# Altium PCB SVEC.pcbdoc (part 5 of 18) (continued)
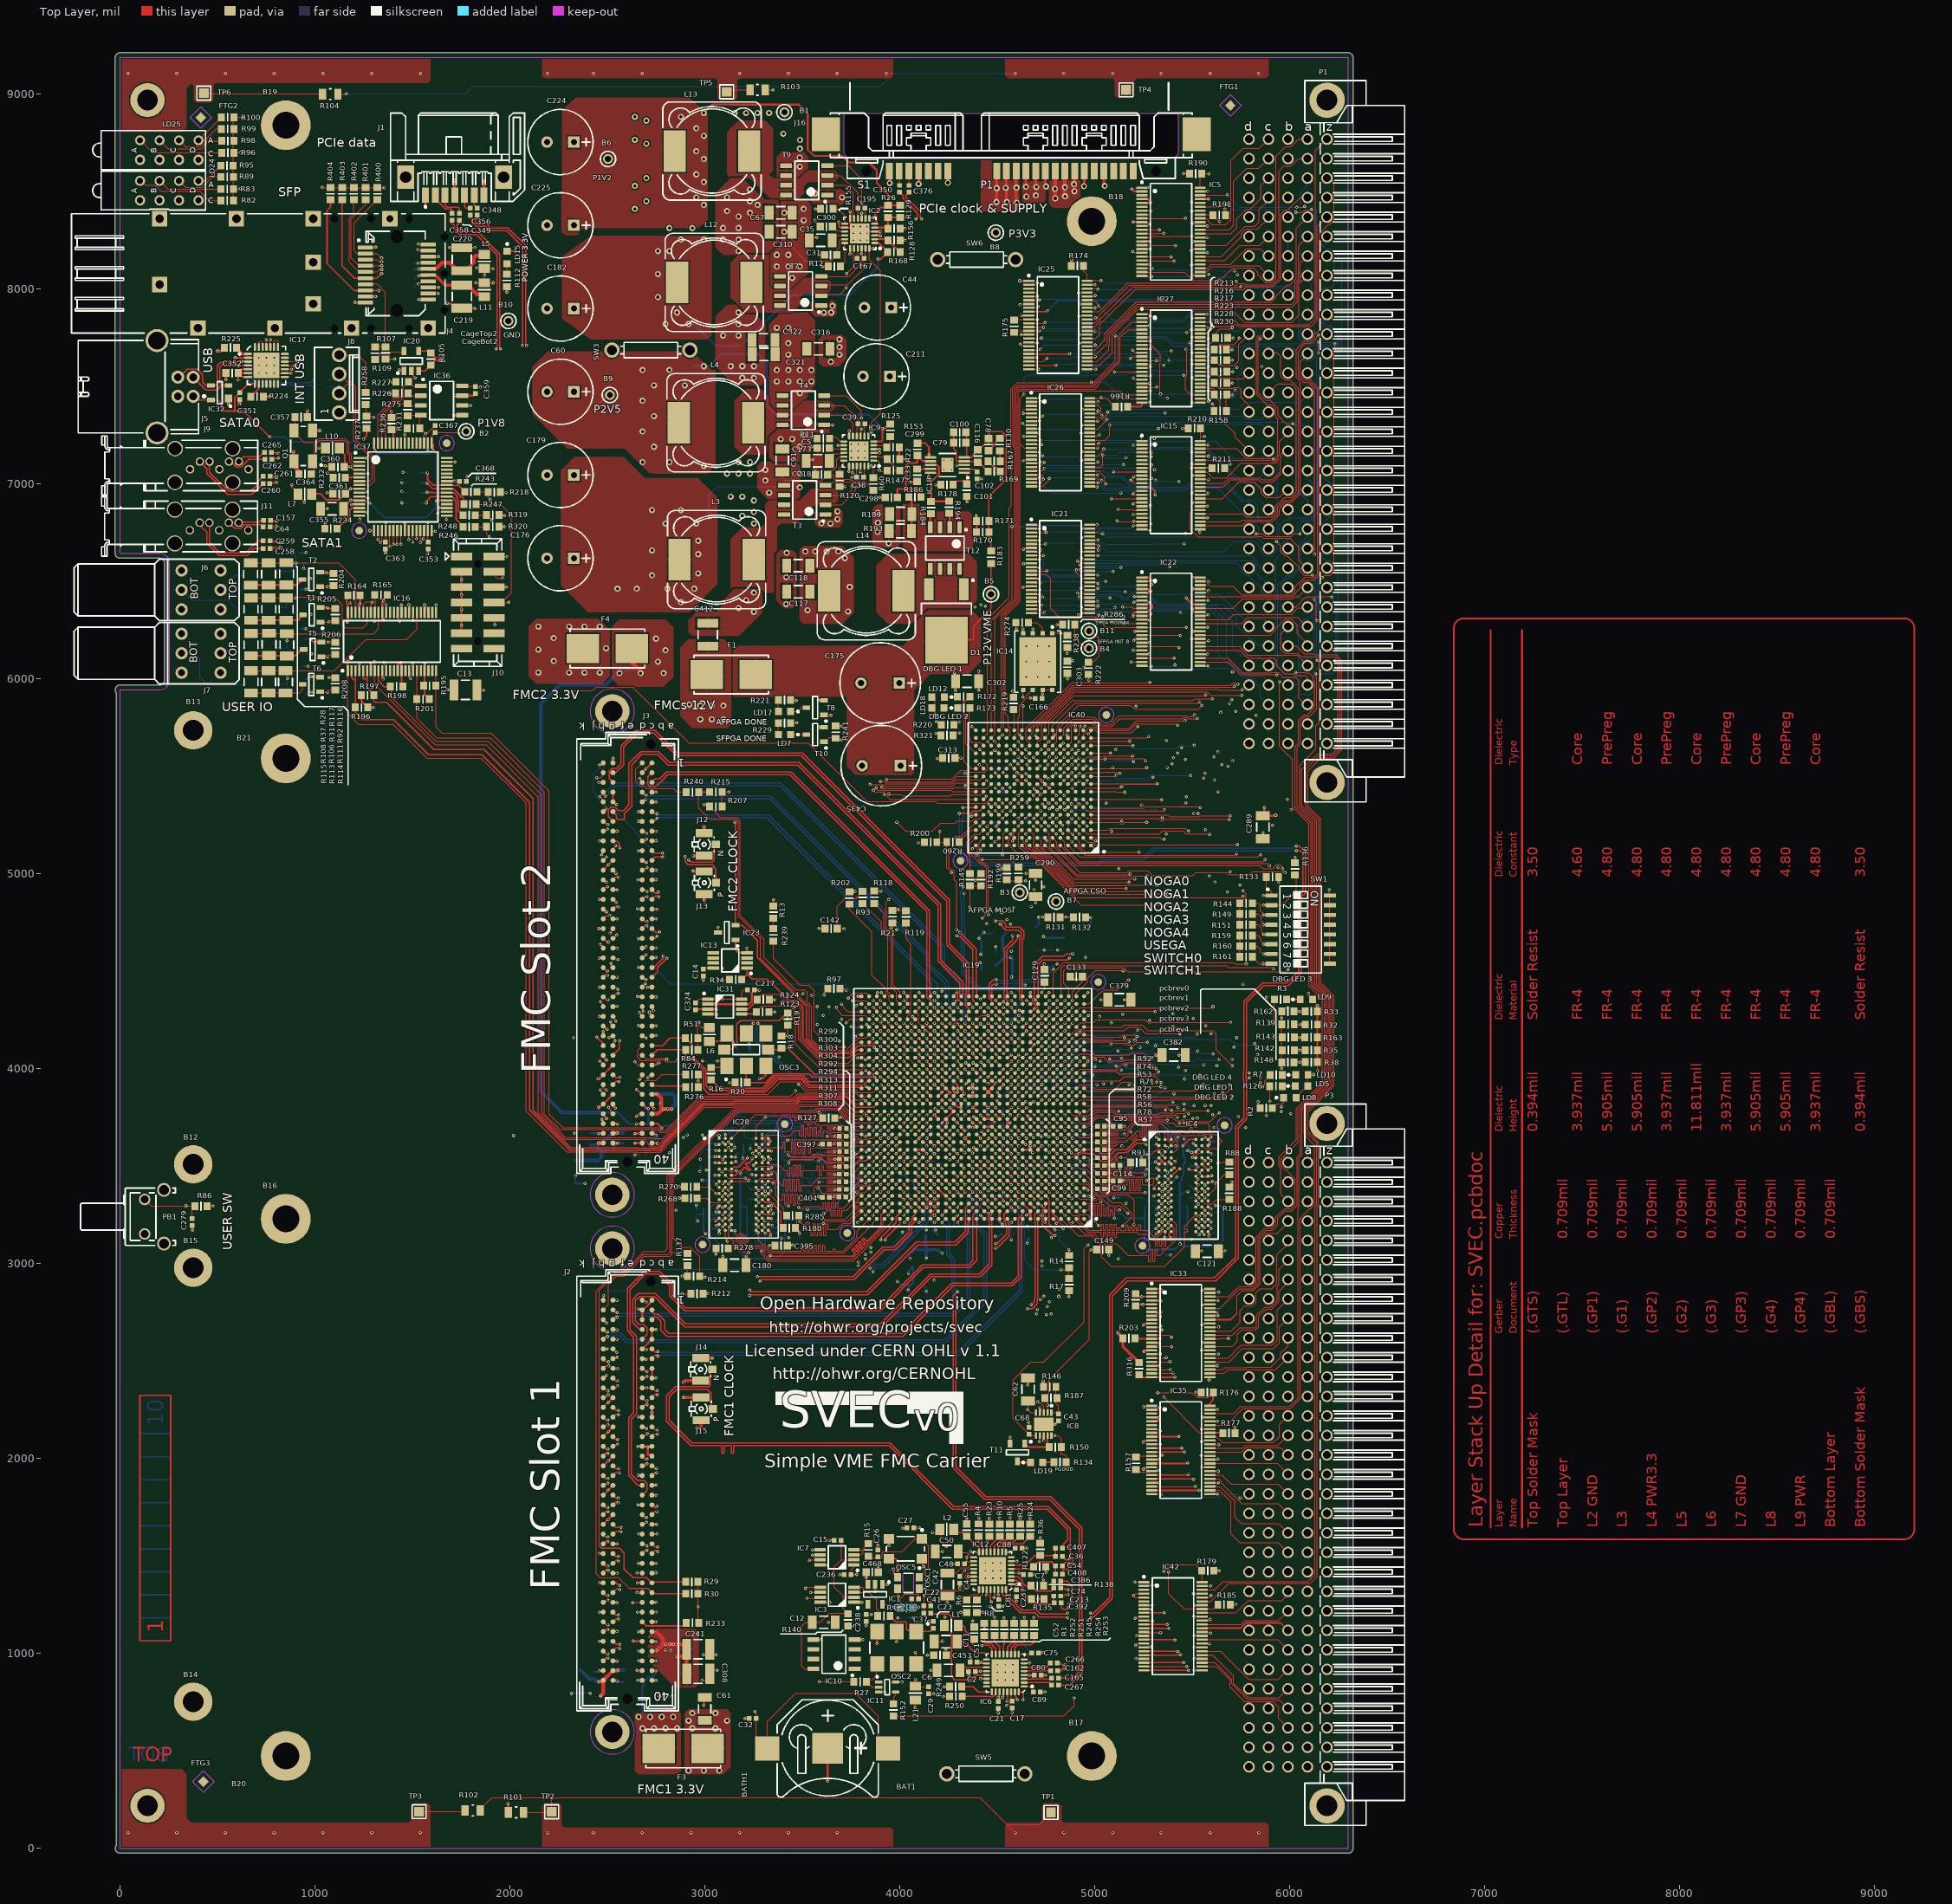
[diagram p0: Top Layer view]
## Nets (pads, with @x,y where several pads share a name; then routed paths per layer and width w, separated by ;. In a path a pad name is that pad's centre, name@x,y a point inside that pad or via, vN(x,y) a via of type N, cw(c..) or ccw(c..) an arc to the next point about the centre after c; other vN are vias at no path point) (continued)
  Bottom Layer w5: v1(5410.74,3523.69) 5409.55,3522.51 5409.55,3523.69 5409.55,3526.22 R73.1@5426.84,3543.51
  other v1: 4846,3564.29
DDR_UDQS_N: IC4.B7 IC19.K1 R71.1 | length 1064.9
  Top Layer w6: IC19.K1@4944.42,3583.97 5012.37,3583.97 R71.1@5012.84,3583.51 5031.65,3564.7 5086.74,3564.7 5105.93,3583.88 5161.93,3583.88 5213.55,3635.51 v1(5261.55,3635.51) ; v1(5504.55,3618.51) 5504.55,3618.22 IC4.B7@5517.55,3605.23
  L3 w4: v1(5261.55,3635.51) 5263.83,3635.51 5280.43,3618.91 5280.43,3604.1 5269.96,3593.63 5252.46,3593.63 5228.58,3617.51 5218.55,3617.51 5205.05,3604.01 5205.05,3581.01 5216.55,3569.51 5253.9,3569.51 5258.09,3573.69 5269.58,3573.69 5272.77,3570.51 5284.55,3570.51 5302.18,3588.13 5359.31,3588.13 5366.81,3580.63 5393.43,3580.63 5406.09,3567.97 5427.3,3589.18 5434.37,3582.11 5413.16,3560.9 5453.55,3520.51 5506.55,3520.51 5537.05,3551.01 5537.05,3563.04 5531.46,3568.63 5524.15,3568.63 5504.55,3588.23 v1(5504.55,3618.51)
DDR_UDQS_P: IC4.C7 IC19.K2 R72.1 | length 1100
  Top Layer w6: IC19.K2@4905.05,3583.97 4919.19,3583.97 4922.78,3580.38 4925.72,3580.38 4927.58,3578.52 4927.58,3576.99 4934.43,3570.14 4934.43,3568.73 4936.03,3567.13 4955.05,3567.13 4957.55,3564.63 4991.72,3564.63 R72.1@5012.84,3543.51 5031.65,3524.7 5076.74,3524.7 5120.55,3568.51 5153.55,3568.51 5154.93,3569.88 5167.73,3569.88 5214.35,3616.51 5257.55,3616.51 v1(5262.55,3611.51) ; IC4.C7@5517.55,3573.73 5517.78,3573.73 5531.05,3587.01 5531.55,3587.51 v1(5531.55,3586.51)
  L3 w4: v1(5262.55,3611.51) 5251.55,3611.51 5233.55,3629.51 5211.55,3629.51 5191.55,3609.51 5191.55,3598.51 5167.6,3598.51 5167.6,3588.51 5191.55,3588.51 5191.55,3573.51 5232.55,3532.51 5277.55,3532.51 5318.74,3573.69 5348.23,3573.69 5353.29,3568.63 5387.43,3568.63 5445.55,3510.51 5446.58,3510.51 5448.58,3508.51 5511.52,3508.51 5513.52,3510.51 5518.55,3510.51 5549.05,3541.01 5549.05,3568.01 5531.55,3585.51 v1(5531.55,3586.51)
DDR_WE_N: IC4.L3 IC19.F4 R62.1 | length 1081.3
  Top Layer w5: IC19.F4@4826.31,3426.49 4827.57,3426.49 v1@4845.55,3408.51 ; v1(5378.28,3309.78) 5390.27,3321.77 IC4.L3@5391.56,3321.77
  L3 w4: v1@4845.55,3408.51 4845.55,3406.81 4845.55,3390.25 4830.18,3374.87 4830.18,3362.14 4842.36,3349.96 4904.96,3349.96 5000.41,3254.51 5021.55,3254.51 5021.55,3284.51 5031.55,3284.51 5031.55,3231.83 5041.55,3231.83 5041.55,3284.51 5051.55,3284.51 5051.55,3226.13 5061.55,3226.13 5061.55,3284.51 5071.55,3284.51 5071.55,3226.13 5081.55,3226.13 5081.55,3254.51 5130.55,3254.51 5149.18,3273.13 5168.18,3273.13 5189.51,3294.46 5323.43,3294.46 5327.25,3290.64 5359.15,3290.64 v1(5378.28,3309.78)
  Bottom Layer w5: v1(5378.28,3309.78) 5386.83,3309.78 5397.55,3320.51 R62.1@5399.84,3320.51
  other v1: 4846,3406.81
DDR_ZQ: IC4.L8 R188.2 | length 156.9
  Top Layer w5: IC4.L8@5549.04,3321.77 5565.16,3305.64 5601.69,3305.64 5625.06,3329.01 R188.2@5689.55,3329.01
DEBUGLED1: IC40.L16 R172.1 | length 422.5
  Top Layer w5: R172.1@4356.05,5908.51 4325.83,5878.29 4325.83,5837.64 4326.31,5837.16 4326.31,5802.69 4329.55,5799.45 4329.55,5574.51 4365.13,5538.93 IC40.L16@4389.28,5538.93
DEBUGLED2: IC40.P15 R173.1 | length 249.9
  Top Layer w5: R173.1@4359.05,5850.51 4355.22,5846.67 4355.22,5699.51 4360.55,5694.17 4360.55,5683.51 4370.68,5673.38 4412.31,5673.38 IC40.P15@4428.65,5657.04
EN_DC_DC: IC2.7 IC2.24 IC9.7 IC9.24 IC18.3 R60.1 | length 1979.1
  Top Layer w5: IC9.24@3837.77,7091.73 v1(3853.33,7091.73) 3863.55,7081.51 R60.1@3863.55,7031 ; IC9.7@3837.77,7245.28 3837.77,7250.72 v1(3853.55,7266.51) 3853.55,7314.51 3900,7360.95 3900,8094.06 3843.14,8150.92 IC2.24@3843.14,8208.1 3863.15,8208.1 v1(3863.55,8208.51) ; IC2.7@3843.14,8361.65 3846.99,8365.51 v1(3861.55,8365.51) ; v1(4290.69,7095.64) 4291.69,7096.64 IC18.3@4330.3,7096.64 ; IC18.3@4309.69,7094.64 4341.14,7094.64 IC18.3@4342.01,7095.51
  Bottom Layer w5: v1(3853.55,7266.51) 3853.33,7266.28 v1(3853.33,7091.73) 4286.78,7091.73 v1(4290.69,7095.64) v1@4291.69,7096.64 ; v1(3861.55,8365.51) 3863.55,8363.51 v1(3863.55,8208.51)
FMC1_CLK0M2C_N: IC19.G15 J2.h5 | length 2790.8
  Top Layer w6: J2.h5@2478.05,2612.26 2494.3,2628.51 2497.43,2628.51 v1(2500.55,2625.38) ; IC19.G15@4393.24,3465.86 v1@4412.59,3446.51
  Bottom Layer w6: v1(2500.55,2625.38) 2505.43,2630.26 2560.55,2630.26 2596.3,2594.51 4235.55,2594.51 4445.55,2804.51 4445.55,3152.3 4394.68,3203.18 4394.68,3261.8 4407.43,3274.55 4407.43,3290.58 4427.43,3310.58 4427.43,3321.53 4427.8,3321.9 4427.8,3334.23 4427.43,3334.6 4427.43,3360.9 4427.8,3361.27 4427.8,3373.6 4427.43,3373.97 4427.43,3400.27 4427.8,3400.64 4427.8,3412.97 4427.55,3413.21 4427.55,3430.51 v1@4411.55,3446.51
  other v1: 4412.92,3446.18
FMC1_CLK0M2C_P: IC19.H15 J2.h4 | length 2792.6
  Top Layer w6: J2.h4@2478.05,2662.26 2493.8,2646.51 2497.93,2646.51 v1(2500.55,2649.13) ; IC19.H15@4393.24,3505.23 v1@4409.26,3489.21
  Bottom Layer w6: v1(2500.55,2649.13) 2505.43,2644.26 2566.35,2644.26 2602.1,2608.51 4229.76,2608.51 4431.55,2810.3 4431.55,3146.51 4380.68,3197.38 4380.68,3267.6 4393.43,3280.34 4393.43,3324.76 4392.68,3325.51 4392.68,3469.63 v1@4408.55,3485.51
  other v1: 4415.69,3485.64
FMC1_CLK1M2C_N: IC19.D16 J2.g3 | length 2422.2
  Top Layer w6: J2.g3@2528.05,2712.26 2544.3,2728.51 2546.43,2728.51 v1(2549.55,2725.38) ; IC19.D16@4353.87,3347.75 4371.11,3330.51 v1@4371.55,3330.51
  Bottom Layer w6: v1(2549.55,2725.38) 2554.43,2730.26 4275.3,2730.26 4358.68,2813.63 4358.68,3317.63 v1@4371.55,3330.51
  other v1: 4373.55,3328.07
FMC1_CLK1M2C_P: IC19.E16 J2.g2 | length 2447.9
  Top Layer w6: J2.g2@2528.05,2762.26 2543.8,2746.51 2546.93,2746.51 v1(2549.55,2749.13) ; IC19.E16@4353.87,3387.12 v1@4371.48,3369.51 ; v1@4370.55,3369.51 v1@4371.48,3369.51 ; v1@4372.55,3369.51 v1@4371.48,3369.51
  Bottom Layer w6: v1(2549.55,2749.13) 2554.43,2744.26 4269.51,2744.26 4344.68,2819.43 4344.68,3323.43 4347.55,3326.3 4347.55,3344.51 4372.55,3369.51 v1@4370.55,3369.51
  other v1: 4373.55,3367.44
FMC1_DP0C2M_N: IC19.A9 J2.c3 | length 2394.3
  Top Layer w6: J2.c3@2728.05,2712.26 2741.8,2726.01 2752.05,2726.01 2774.55,2703.51 2774.55,2658.51 2805.55,2627.51 4015.3,2627.51 4273.3,2885.51 4576.55,2885.51 4621.55,2930.51 4621.55,3208.6 4629.46,3216.51 IC19.A9@4629.46,3229.64
FMC1_DP0C2M_P: IC19.B9 J2.c2 | length 2424
  Top Layer w6: J2.c2@2728.05,2762.26 2728.05,2755.01 2743.05,2740.01 2760.05,2740.01 2792.55,2707.51 2792.55,2662.51 2813.55,2641.51 3854.76,2641.51 4009.5,2641.51 4267.5,2899.51 4570.76,2899.51 4607.55,2936.3 4607.55,3231.55 4629.46,3253.46 IC19.B9@4629.46,3269.01
FMC1_DP0M2C_N: IC19.C10 J2.c7 | length 2514.7
  Top Layer w6: J2.c7@2728.05,2512.26 2746.05,2530.26 2755.55,2530.26 2758.55,2527.26 v1(2758.55,2525.38) ; IC19.C10@4590.09,3308.38 v1(4609.77,3288.7)
  Bottom Layer w6: v1(2758.55,2525.38) 2763.43,2530.26 3031.27,2530.26 3031.53,2530.51 3043.85,2530.51 3044.11,2530.26 3589.12,2530.26 3589.87,2529.51 4299.23,2529.51 4627.55,2857.83 4627.55,3230.96 4624.02,3234.5 4624.02,3274.45 v1(4609.77,3288.7)
FMC1_DP0M2C_P: IC19.D10 J2.c6 | length 2545
  Top Layer w6: J2.c6@2728.05,2562.26 2746.05,2544.26 2755.55,2544.26 2758.55,2547.26 v1(2758.55,2549.13) ; IC19.D10@4590.09,3347.75 4604.33,3333.51 v1@4610.55,3333.51
  Bottom Layer w6: v1(2758.55,2549.13) 2763.43,2544.26 3025.47,2544.26 3025.73,2544.51 3049.65,2544.51 3049.91,2544.26 3594.92,2544.26 3595.67,2543.51 4293.44,2543.51 4613.55,2863.62 4613.55,3225.17 4610.02,3228.7 4610.02,3261.76 4590.9,3280.88 4590.9,3296.51 4591.28,3296.89 4591.28,3314.23 v1@4610.55,3333.51
  other v1: 4609.77,3328.07
FMC1_E_CLK_N: C408.1 J15.1 | length 3001.8
  Top Layer w6: J15.1@3040.73,2254.64 3031,2264.37 3031,2336.28 3011.63,2355.64 2855.49,2355.64 2815.69,2315.84 2815.69,2197.51 2933.55,2079.64 3949.69,2079.64 4275.82,1753.51 4760.62,1753.51 4873.69,1640.44 4873.69,1501.78 4883.43,1492.04 4883.43,1455.97 4857.76,1430.3 4840.2,1430.3 4832.4,1422.51 C408.1@4832.4,1406.64
FMC1_E_CLK_P: C407.1 J14.1 | length 3019.5
  Top Layer w6: J14.1@3037.73,2457.64 3028,2447.91 3028,2376 3021.63,2369.64 2849.69,2369.64 2801.69,2321.64 2801.69,2191.71 2927.76,2065.64 3082.69,2065.64 3086.69,2065.64 3086.69,2025.64 3098.69,2025.64 3098.69,2065.64 3104.69,2065.64 3127.69,2065.64 3134.69,2065.64 3134.69,2025.64 3146.69,2025.64 3146.69,2065.64 3152.69,2065.64 3943.89,2065.64 4270.02,1739.51 4754.82,1739.51 4859.69,1634.64 4859.69,1582.79 4832.4,1555.51 C407.1@4832.4,1539.64
FMC1_GBTCLK0M2C_N: IC19.A13 J2.d5 | length 2518.6
  Top Layer w6: J2.d5@2678.05,2612.26 2701.65,2635.85 2701.65,2672.03 2687.83,2685.85 2662.27,2685.85 2642.68,2705.45 2642.68,2810.26 2664.28,2831.85 2739.67,2831.85 2895.02,2676.51 3821.55,2676.51 3906.94,2676.51 4162.94,2932.51 4413.35,2932.51 4471.98,2991.13 IC19.A13@4471.98,3229.64
FMC1_GBTCLK0M2C_P: IC19.B13 J2.d4 | length 2495
  Top Layer w6: J2.d4@2678.05,2662.26 2665.07,2662.26 2628.68,2698.65 2628.68,2816.05 2658.48,2845.85 2745.47,2845.85 2754.59,2836.74 2900.82,2690.51 3815.76,2690.51 3901.14,2690.51 4157.14,2946.51 4407.55,2946.51 4457.98,2996.93 4457.98,3219.82 4455.14,3222.66 4455.14,3236.62 4471.98,3253.46 IC19.B13@4471.98,3269.01
FMC1_LA_N0: IC19.A16 J2.g7 | length 2182.7
  Top Layer w6: J2.g7@2528.05,2512.26 2541.78,2512.26 v4(2549.21,2519.68) ; v4(3228.35,2836.46) 3232.22,2840.33 3834.43,2840.33 4090.33,3096.24 4287.3,3096.24 4348.55,3157.5 4348.55,3207.51 4353.87,3212.82 IC19.A16@4353.87,3229.64
  L3 w4: v4(2549.21,2519.68) 2568.74,2539.21 2622.25,2539.21 2657.48,2574.44 2657.48,2598.43 2802.96,2743.91 3068.71,2743.91 3169.12,2844.31 3220.49,2844.31 v4(3228.35,2836.46)
FMC1_LA_N1: IC19.G21 J2.d9 | length 2168.7
  Top Layer w6: J2.d9@2678.05,2412.26 2690.3,2412.26 v1@2700.19,2422.14 ; v1@2700.49,2422.64 v1(2702.69,2422.64) ; IC19.G21@4157.02,3465.86 4157.02,3462.04 4168.55,3450.51
  L3 w4: v1@2702.69,2427.38 2717.13,2427.38 2726.88,2437.13 2729.7,2437.13 2882.21,2589.64 3529.83,2589.64 3963.69,3023.5 3963.69,3235.5 3964.36,3236.17 3964.36,3290.31 3986.69,3312.64 3988.69,3314.64 3988.69,3359.5 4010.83,3381.64 4051.83,3381.64 4052.83,3382.64 4057.69,3382.64 4068.69,3393.64 4068.69,3445.64 4083.1,3460.05 4162.83,3460.05 v1(4176.7,3446.18)
FMC1_LA_N2: IC19.H22 J2.h8 | length 2309
  Top Layer w6: J2.h8@2478.05,2462.26 2490.69,2474.89 v4(2506.08,2474.89) ; IC19.H22@4117.65,3499.41 IC19.H22@4117.65,3505.23 ; IC19.H22@4121.58,3501.04 v1@4133.12,3489.51
  L3 w4: v4(2506.08,2474.89) 2526.78,2474.89 2529.53,2477.64 2540.46,2488.57 2636.21,2488.57 2677.17,2529.53 2710.99,2529.53 2808.11,2626.64 3470.83,2626.64 3884.19,3040 3886.19,3042 3886.19,3209.5 3925.69,3249 3925.69,3264.64 3926.61,3265.56 3926.61,3294.44 3934.74,3302.57 3948.75,3302.57 3965.69,3319.51 3965.69,3435.64 3987.69,3457.64 4039.52,3457.64 4081.3,3499.42 4123.46,3499.42 v1(4137.33,3485.55)
FMC1_LA_N3: IC19.D25 J2.g10 | length 2097.9
  Top Layer w6: J2.g10@2528.05,2362.26 2540.3,2362.26 v1(2550.69,2372.64) v1@2550.69,2375.88 ; IC19.D25@3999.54,3347.75 v1(4019.22,3328.07)
  L3 w4: v1@2550.69,2377.38 2553.39,2377.38 2558.26,2382.26 2759.45,2382.26 2942.83,2565.64 3559.83,2565.64 3987.69,2993.5 3989.69,2995.5 3989.69,3097.5 3989.69,3278.78 4019.22,3308.32 v1(4019.22,3328.07)
FMC1_LA_N4: IC19.C24 J2.h11 | length 2195.9
  Top Layer w6: J2.h11@2478.05,2312.26 2488.3,2312.26 2501.62,2325.57 2501.62,2328.51 2503.58,2326.55 v1@2503.58,2320.63 ; IC19.C24@4038.91,3308.38 4040.76,3308.38 4058.59,3290.55 4058.55,3290.51 v1@4056.55,3290.51
  L3 w4: v1@2501.69,2327.38 2504.39,2327.38 2509.92,2332.91 2716.1,2332.91 2747.45,2364.26 2766.9,2364.26 2766.98,2364.34 2785.53,2364.34 2950.83,2529.64 3575.83,2529.64 4033.69,2987.5 4033.69,3134.64 4049.69,3150.64 4049.69,3279.79 v1(4058.59,3288.7) ; v1@4053.55,3285.51 v1@4058.55,3290.51 ; v1@4056.55,3290.51 v1@4058.55,3290.51 ; v1@4058.59,3290.55 v1@4058.55,3290.51
  other v1: 2503.58,2325.64
FMC1_LA_N5: IC19.L19 J2.d12 | length 2657.9
  Top Layer w6: J2.d12@2678.05,2262.26 2694.44,2278.64 v1@2702.69,2278.64 ; IC19.L19@4235.76,3622.71 IC19.L19@4235.76,3623.34 4249.59,3609.51 v1@4250.55,3609.51
  L8 w4: v1@2702.69,2278.64 2704.36,2278.64 2709.23,2283.51 3455.7,2283.51 3964.69,2792.5 3964.69,3144.64 3997.69,3177.64 4003.73,3183.68 4003.73,3596.54 4064.09,3656.9 4221.82,3656.9 4239.57,3639.15 4239.57,3636.45 4244.69,3631.33 4244.69,3614.41 v1(4255.44,3603.66)
  other v1: 2702.69,2276.64
FMC1_LA_N6: IC19.A25 J2.c11 | length 1846.7
  Top Layer w6: J2.c11@2728.05,2312.26 2746.05,2330.26 2756.69,2330.26 v1@2760.79,2330.26 ; v1@3922.69,3122.64 3922.69,3126.64 3999.54,3203.49 IC19.A25@3999.54,3229.64
  L8 w4: v1@2756.69,2329.38 2759.39,2329.38 2764.26,2334.26 3428.45,2334.26 3916.55,2822.36 3916.55,3113.06 3924.69,3121.19 v1(3924.69,3122.64)
  other v1: 2756.69,2326.64
FMC1_LA_N7: IC19.F22 J2.h14 | length 2473.6
  Top Layer w6: J2.h14@2478.05,2162.26 2483.44,2167.64 2491.95,2167.64 2501.69,2177.38 v1@2504.66,2174.41 ; IC19.F22@4117.65,3426.49 v1(4137.33,3406.81)
  L3 w4: v1@2501.69,2177.38 2504.39,2177.38 2512.26,2185.26 2574.45,2185.26 2638.83,2249.64 2799.83,2249.64 3001.83,2451.64 3611.07,2451.64 4054.57,2895.14 4080.19,2895.14 4117.69,2932.64 4119.69,2934.64 4119.69,3177.26 4123.46,3181.03 4123.46,3280.25 4122.81,3280.89 4122.81,3292.39 4123.46,3293.03 4123.46,3373.18 4137.33,3387.06 v1(4137.33,3406.81)
  other v1: 2501.69,2172.64
FMC1_LA_N8: IC19.E23 J2.g13 | length 2344.2
  Top Layer w6: J2.g13@2528.05,2212.26 2544.3,2228.51 2547.62,2228.51 2547.87,2228.26 ; IC19.E23@4078.28,3383.18 4089.96,3371.51 ; IC19.E23@4078.28,3383.78 4090.55,3371.51 4089.96,3371.51 ; 4089.55,3371.51 4089.96,3371.51 ; v1@4097.96,3363.5 4096,3365.47 4089.96,3371.51
  L3 w4: v1(2555.69,2224.64) 2562.83,2224.64 2648.83,2310.64 ; 2649.69,2310.64 2648.83,2310.64 ; v1(4097.96,3367.44) 4097.96,3359.77 4084.09,3345.9 4084.09,2949.9 4058.33,2924.14 4031.33,2924.14 4010.56,2903.37 4010.56,2899.75 3996.58,2885.77 3992.96,2885.77 3598.83,2491.64 3589.82,2482.63 3275.67,2482.63 3266.66,2491.64 2967.83,2491.64 2777.83,2301.64 2718.8,2301.64 2708.18,2312.26 2650.45,2312.26 2648.83,2310.64
FMC1_LA_N9: IC19.L20 J2.d15 | length 2667.7
  Top Layer w6: J2.d15@2678.05,2112.26 2687.3,2112.26 v1(2704.69,2129.64) ; IC19.L20@4196.39,3623.34 v1@4212.55,3607.17
  L8 w4: v1(2704.69,2129.64) 2715.69,2140.64 2721.83,2140.64 2757.83,2176.64 3438.83,2176.64 4011.84,2749.65 4013.26,2751.07 4013.26,2903.21 4013.69,2903.64 4013.69,2937.26 4035.69,2959.26 4035.69,3139.64 4045.43,3149.38 4047.43,3151.38 4047.43,3280.24 4044.72,3282.95 4044.72,3591.67 4072.2,3619.15 4200.58,3619.15 v1(4216.07,3603.66)
FMC1_LA_N10: IC19.K21 J2.c15 | length 2595.1
  Top Layer w6: J2.c15@2728.05,2112.26 2740.44,2124.64 v1(2756.69,2124.64) ; v1@2756.7,2124.41 v1@2759.66,2124.41 ; IC19.K21@4157.02,3583.97 v1(4176.7,3564.29)
  L8 w4: v1@2756.69,2127.38 2759.39,2127.38 2764.26,2132.26 3506.45,2132.26 4082.69,2708.5 4082.69,3568.63 4092.22,3578.16 4162.83,3578.16 v1(4176.7,3564.29)
FMC1_LA_N11: IC19.F20 J2.h17 | length 2636.1
  Top Layer w6: J2.h17@2478.05,2012.26 2494.44,2028.64 v1@2505.57,2028.64 ; IC19.F20@4200.33,3422.55 v1@4212.49,3410.39
  L3 w4: v1@2502.69,2028.64 2504.36,2028.64 2512.23,2036.51 2592.7,2036.51 2641.83,2085.64 2801.83,2085.64 3076.83,2360.64 3677.83,2360.64 4200.68,2883.49 4200.68,3066.25 4202.69,3068.26 4202.69,3159.88 4205.56,3162.75 4205.56,3182.53 4202.69,3185.4 4202.69,3203.72 4202.2,3204.21 4202.2,3255.07 4202.69,3255.56 4202.69,3393.42 v1(4216.07,3406.81)
  other v1: 2502.69,2026.64
FMC1_LA_N12: IC19.E21 J2.g16 | length 2486.1
  Top Layer w6: J2.g16@2528.05,2062.26 2537.44,2071.64 v1@2544.82,2071.64 ; 4169.55,3373.51 4157.02,3386.04 IC19.E21@4157.02,3387.12 v1(4176.7,3367.44)
  L3 w4: v1@2551.69,2077.38 2562.57,2077.38 2677.83,2192.64 2823.83,2192.64 3038.83,2407.64 3651.83,2407.64 3664.83,2420.64 4160.43,2916.24 4160.43,3038.39 4159.68,3039.14 4159.68,3152.56 4167.56,3160.44 4167.56,3186.84 4162.69,3191.72 4162.69,3353.42 v1(4176.7,3367.44)
  other v1: 2551.69,2072.64
FMC1_LA_N13: IC19.F18 J2.d18 | length 2606.6
  Top Layer w6: J2.d18@2678.05,1968.01 J2.d18@2678.05,1962.26 ; J2.d18@2684.67,1955.64 J2.d18@2678.05,1962.26 ; J2.d18@2689.55,1966.51 v1@2699.69,1976.64 ; v1@2705.66,1974.41 2704.06,1976.01 2690.3,1962.26 J2.d18@2678.05,1962.26 ; IC19.F18@4275.13,3426.49 4275.13,3424.93 4287.55,3412.51
  L3 w4: v1@2702.69,1977.38 2705.39,1977.38 2713.26,1985.26 2819.45,1985.26 3115.83,2281.64 3749.83,2281.64 4276.81,2808.62 4276.81,2831.39 4279.32,2833.89 4279.32,3391.31 v1(4294.81,3406.81)
  other v1: 2702.69,1972.64
FMC1_LA_N14: IC19.E17 J2.c19 | length 2584.6
  Top Layer w6: J2.c19@2728.05,1912.26 2744.3,1928.51 2750.56,1928.51 v1(2751.69,1927.38) ; IC19.E17@4314.5,3387.12 4315.94,3387.12 v1@4330.55,3372.51
  L3 w4: v1(2751.69,1927.38) 2757.56,1933.26 2814.62,1933.26 3110,2228.64 3772,2228.64 4337.69,2794.33 4337.69,3187.95 4319.69,3205.95 4319.69,3348.94 4319.69,3352.94 v1(4334.18,3367.44)
FMC1_LA_N15: IC19.G16 J2.h20 | length 2989.6
  Top Layer w6: J2.h20@2483.05,1859.26 v1@2499.3,1875.51 ; IC19.G16@4353.87,3465.86 v1(4373.55,3446.18)
  L3 w4: v1@2502.69,1877.38 2505.39,1877.38 2513.65,1885.64 2833,1885.64 2835.83,1885.64 3150.83,2200.64 3803,2200.64 3822.83,2200.64 4370.69,2748.5 4370.69,3206.95 4370.69,3216.78 4357.69,3229.78 4357.69,3357.18 4358.06,3357.55 4358.06,3377.32 4358.06,3396.92 4358.06,3416.69 4357.69,3417.06 4357.69,3430.31 v1(4373.55,3446.18)
  other v1: 2502.69,1872.64
FMC1_LA_N16: IC19.E19 J2.g19 | length 2650.7
  Top Layer w6: J2.g19@2528.05,1912.26 2544.3,1928.51 2558.56,1928.51 v1(2559.69,1927.38) ; IC19.E19@4235.76,3382.3 IC19.E19@4235.76,3387.12 v1(4255.44,3367.44)
  L3 w4: v1(2559.69,1927.38) 2567.56,1935.26 2589.13,1935.26 2684.52,2030.64 2805,2030.64 3091,2316.64 3694,2316.64 4241.69,2864.33 4241.69,3282.83 4241.57,3282.95 4241.57,3294.44 4241.69,3294.56 4241.69,3322.2 4241.57,3322.32 4241.57,3333.81 4241.69,3333.93 4241.69,3349.68 4241.57,3349.8 4241.57,3353.56 v1(4255.44,3367.44)
FMC1_LA_N17: IC19.A15 J2.d21 | length 3381.5
  Top Layer w6: J2.d21@2678.05,1812.26 2701.65,1835.85 2701.65,1872.03 2687.83,1885.85 2655.47,1885.85 2622.69,1918.64 2622.69,2202.84 2648.69,2228.84 2648.69,2627.64 2615.69,2660.64 2615.69,2866.64 2694.69,2945.64 2760.69,2945.64 2817.69,2888.64 2817.69,2834.84 2894.89,2757.64 3899.37,2757.64 4121.15,2979.42 4358.27,2979.42 4362.27,2983.42 4393.24,3014.39 IC19.A15@4393.24,3229.64
FMC1_LA_N18: IC19.H14 J2.c23 | length 3043
  Top Layer w6: J2.c23@2728.05,1712.26 2744.3,1728.51 2751.56,1728.51 v1(2752.69,1727.38) ; IC19.H14@4432.61,3505.23 4448.55,3489.29 4448.55,3487.64 4456.69,3487.64 v1@4458.69,3485.64
  L3 w4: v4(4255,3533) 4262,3540 4320,3540 4360.49,3499.51 4443.81,3499.51 v1(4457.69,3485.64)
  L8 w4: v1(2752.69,1727.38) 2761.82,1736.51 3225.7,1736.51 4161.21,2672.02 4161.21,3165.23 4159.68,3166.76 4159.68,3178.25 4161.21,3179.78 4161.21,3321.4 4161.43,3321.62 4161.43,3341.39 4161.21,3341.62 4161.21,3512.16 4187.05,3538 4250,3538 v4(4255,3533)
FMC1_LA_N19: IC19.F14 J2.h23 | length 3131.4
  Top Layer w6: J2.h23@2478.05,1712.26 2494.44,1728.64 v1@2505.57,1728.64 ; IC19.F14@4432.61,3426.49 4451.55,3407.55 4451.55,3406.81 v1@4451.55,3406.51
  L3 w4: v1@2502.69,1728.64 2504.36,1728.64 2512.96,1737.24 2664.05,1737.24 2674.43,1737.24 2712.83,1775.64 2836.83,1775.64 3178.83,2117.64 3887.83,2117.64 4435.69,2665.5 4437.69,2667.5 4437.69,3378.26 4452.29,3392.87 v1(4452.29,3406.81)
  other v1: 2502.69,1726.64
FMC1_LA_N20: IC19.E15 J2.g22 | length 2958.5
  Top Layer w6: J2.g22@2528.05,1762.26 2544.3,1778.51 2546.62,1778.51 2552.49,1772.64 v1(2554.69,1772.64) ; IC19.E15@4393.24,3387.12 4408.85,3371.51 v1@4412.55,3371.51
  L3 w4: v1@2554.69,1777.38 2557.39,1777.38 2567.06,1787.05 2636.83,1787.05 2680.42,1830.64 2840.83,1830.64 3165.83,2155.64 3842.83,2155.64 4403.69,2716.5 4403.69,3230.78 4398.69,3235.78 4398.69,3353.2 v1(4412.92,3367.44)
FMC1_LA_N21: IC19.F12 J2.h26 | length 3318.8
  Top Layer w6: J2.h26@2478.05,1562.26 2491.44,1575.64 2504.43,1575.64 v1@2505.66,1574.41 ; IC19.F12@4511.35,3426.49 4516.57,3426.49 v1@4531.55,3411.51
  L3 w4: v1@2502.69,1577.38 2505.39,1577.38 2510.26,1582.26 2799.1,1582.26 3243.49,2026.64 3950.83,2026.64 4516.69,2592.5 4516.69,3191.02 4511.81,3195.89 4511.81,3207.39 4516.69,3212.26 4516.69,3392.46 v1(4531.03,3406.81)
  other v1: 2502.69,1572.64
FMC1_LA_N22: IC19.E13 J2.g25 | length 3147.8
  Top Layer w6: J2.g25@2528.05,1612.26 2529.3,1612.26 2544.43,1627.38 v1@2568.69,1627.38 ; IC19.E13@4471.98,3387.12 4475.21,3387.12 4486.82,3375.51 v1@4490.55,3375.51 ; v1@4489.55,3372.51 v1@4491.55,3370.51
  L3 w4: v1@2568.69,1627.38 2571.39,1627.38 2576.26,1632.26 2738.04,1632.26 2738.67,1631.63 2758.44,1631.63 2772.43,1645.62 2772.43,1647.23 3191.84,2066.64 3908.83,2066.64 4475.81,2633.62 4475.81,3145.39 4477.79,3147.36 4477.79,3363.74 4481.48,3367.44 4484.48,3367.44 v1(4491.69,3374.64)
  other v1: 2568.69,1624.64
FMC1_LA_N23: IC19.K15 J2.d24 | length 3042.7
  Top Layer w6: J2.d24@2678.05,1662.26 2685.3,1662.26 v1@2699.56,1676.52 ; v1(4377.96,3596.25) 4377.49,3596.72 4377.49,3599.72 IC19.K15@4393.24,3583.97 IC19.K15@4393.24,3582.82
  L8 w4: v1@2700.69,1677.38 2703.39,1677.38 2711.26,1685.26 3282.45,1685.26 4238.69,2641.5 4239.95,2642.76 4239.95,3484.18 4264.89,3509.13 4278.87,3523.11 4278.87,3530.14 4289.14,3540.41 4343.97,3540.41 4358.06,3554.5 4358.06,3587.01 4367.3,3596.25 v1(4377.96,3596.25)
  other v1: 2700.69,1672.64
FMC1_LA_N24: IC19.F10 J2.h29 | length 3498
  Top Layer w6: J2.h29@2478.05,1412.26 2494.44,1428.64 v1@2505.57,1428.64 ; IC19.F10@4590.09,3426.49 v1(4609.77,3406.81)
  L3 w4: v1@2503.69,1428.64 2504.36,1428.64 2514.23,1438.51 2825.7,1438.51 3312.83,1925.64 3999.83,1925.64 4593.69,2519.5 4595.69,2521.5 4595.69,3392.72 v1(4609.77,3406.81)
  other v1: 2503.69,1426.64
FMC1_LA_N25: IC19.E11 J2.g28 | length 3333.9
  Top Layer w6: J2.g28@2528.05,1462.26 2544.3,1478.51 2547.62,1478.51 2547.87,1478.26 v1@2558.49,1478.26 ; IC19.E11@4550.72,3387.12 4564.55,3373.29 4564.55,3371.51 4569.51,3366.55 v1@4570.55,3365.51
  L3 w4: v1@2555.69,1477.38 2558.39,1477.38 2572.65,1491.64 2777.83,1491.64 3261.83,1975.64 3972.97,1975.64 4547.69,2550.36 4547.69,3132.64 4554.56,3139.51 4554.56,3352.51 4569.48,3367.44 4570.4,3367.44 4570.69,3367.72 v1(4570.69,3370.64)
  other v1: 2555.69,1472.64
FMC1_LA_N26: IC19.K14 J2.d27 | length 3199.3
  Top Layer w6: J2.d27@2678.05,1512.26 2694.44,1528.64 v1(2702.69,1528.64) ; IC19.K14@4432.61,3583.97 4452.29,3603.65 4451.69,3604.26 v1(4451.69,3604.64)
  L8 w4: v1(2702.69,1528.64) 2754.69,1580.64 3274.83,1580.64 4276.69,2582.5 4276.69,3145.5 4280.94,3149.75 4280.94,3412.55 4281.69,3413.3 4281.69,3439.68 4280.94,3440.43 4280.94,3471.89 4323.69,3514.64 4343.66,3514.64 4367.81,3538.79 4381.72,3538.79 4397.43,3554.5 4397.43,3570.38 4405.69,3578.64 4427.28,3578.64 4452.29,3603.66 4451.69,3604.26 v1(4451.69,3604.64)
FMC1_LA_N27: IC19.L13 J2.c27 | length 3192.8
  Top Layer w6: J2.c27@2728.05,1512.26 2744.3,1528.51 2750.62,1528.51 2750.87,1528.26 2757.56,1528.26 2757.56,1528.51 v1@2758.69,1527.38 ; IC19.L13@4471.98,3623.34 v1(4491.66,3603.66)
  L8 w4: v1@2758.69,1527.38 2761.39,1527.38 2769.26,1535.26 3288.45,1535.26 4318.69,2565.5 4320.69,2567.5 4320.69,3361.31 4320.31,3361.69 4320.31,3373.18 4320.69,3373.56 4320.69,3400.68 4320.31,3401.06 4320.31,3412.55 4320.69,3412.93 4320.69,3440.05 4320.31,3440.43 4320.31,3456.26 4325.72,3461.67 4336.48,3461.67 4359.03,3484.22 4359.03,3490.64 4367.81,3499.42 4381.82,3499.42 4397.43,3515.03 4397.43,3529.04 4410.8,3542.41 4417.46,3542.41 4449.69,3574.64 4456.94,3574.64 4485.96,3603.66 v1(4491.66,3603.66)
  other v1: 2758.69,1522.64
FMC1_LA_N28: IC19.K12 J2.h32 | length 3601.8
  Top Layer w6: J2.h32@2478.05,1262.26 2487.3,1262.26 2496.69,1271.64 2498.69,1271.64 v1@2500.69,1273.64 ; v1@2500.69,1271.64 v1(2501.69,1272.64) ; IC19.K12@4511.35,3583.97 v1(4531.03,3564.29)
  L8 w4: v1(2501.69,1272.64) 2521.83,1272.64 2543.76,1294.57 2590.62,1294.57 2627.69,1331.64 3144.83,1331.64 4361.69,2548.5 4361.69,3280.94 4359.68,3282.95 4359.68,3412.55 4367.81,3420.68 4390.73,3420.68 4399.05,3429 4399.05,3488.62 4409.94,3499.51 4418.46,3499.51 4418.58,3499.64 4420.43,3499.64 4421.83,3501.04 4428.01,3501.04 4436.8,3509.83 4436.8,3515.13 4438.42,3516.75 4438.42,3530.66 4485.92,3578.16 4517.16,3578.16 v1(4531.03,3564.29)
FMC1_LA_N29: IC19.E9 J2.g31 | length 3511.1
  Top Layer w6: J2.g31@2528.05,1312.26 2545.95,1330.16 2560.91,1330.16 v1@2561.69,1329.38 ; IC19.E9@4629.46,3387.12 v1@4645.07,3371.51 ; v1@4644.55,3373.51 4646.55,3371.51 v1@4645.07,3371.51 ; v1@4650.55,3365.51 4648.88,3367.18 4645.07,3370.99 v1@4645.07,3371.51
  L3 w4: v1@2561.69,1329.38 2564.39,1329.38 2572.26,1337.26 2797.45,1337.26 3340.83,1880.64 4021.83,1880.64 4633.69,2492.5 4633.69,2737.09 4633.69,3351.98 v1(4649.14,3367.44)
  other v1: 2561.69,1326.64
FMC1_LA_N30: IC19.H13 J2.h35 | length 6160.5
  Top Layer w6: J2.h35@2478.05,1112.26 2488.44,1122.64 2502.9,1122.64 v1@2504.66,1124.41 ; IC19.H13@4471.98,3505.23 4488.55,3488.66 v1@4488.55,3485.51
  L8 w4: v1@2501.69,1127.38 2504.39,1127.38 2509.26,1132.26 3054.83,1132.26 4476.69,2554.11 4476.69,3133.02 4475.81,3133.89 4475.81,3145.39 ; 3056.62,1135.26 4475.69,2554.33 4475.69,3145.26 4475.81,3145.39 ; v1(4491.66,3485.55) 4476.69,3470.57 4476.69,3146.26 4475.81,3145.39
  other v1: 2501.69,1122.64
FMC1_LA_N31: IC19.K11 J2.g34 | length 3637.9
  Top Layer w6: J2.g34@2528.05,1162.26 2544.3,1178.51 2554.56,1178.51 v1@2555.69,1177.38 ; IC19.K11@4550.72,3583.97 4561.55,3573.14 4561.55,3574.77 v1@4570.69,3565.64
  L8 w4: v1@2555.69,1177.38 2558.39,1177.38 2563.26,1182.26 3056.45,1182.26 4397.43,2523.24 4397.43,3371.56 4407.18,3381.31 4427.36,3381.31 4438.42,3392.37 4438.42,3474.61 4439.56,3475.75 4439.56,3487.13 4449.94,3497.51 4451.94,3499.51 4463.43,3499.51 4463.53,3499.42 4466.07,3499.42 4477.79,3511.14 4477.79,3530.66 4485.92,3538.79 4497.41,3538.79 4503.79,3532.41 4504.87,3532.41 4511.24,3538.79 4546.98,3538.79 4564.53,3556.34 4564.53,3558.41 v1(4570.4,3564.29)
  other v1: 2555.69,1174.64
FMC1_LA_N32: IC19.G11 J2.h38 | length 3741
  Top Layer w6: J2.h38@2478.05,962.26 2494.44,978.64 v1@2502.69,978.64 ; IC19.G11@4550.72,3465.86 v1(4570.4,3446.18)
  L8 w4: v1@2502.69,978.64 2504.36,978.64 2509.23,983.51 2810.7,983.51 2810.91,983.72 2834.72,983.72 2870.64,1019.64 3048.66,1019.64 3433.66,1404.64 3522.66,1404.64 4555.69,2437.67 4555.69,3431.46 v1(4570.4,3446.18) 4570.4,3436.36
  other v1: 2502.69,976.64
FMC1_LA_N33: IC19.H12 J2.g37 | length 3608.1
  Top Layer w6: J2.g37@2528.05,1012.26 2544.3,1028.51 2560.56,1028.51 v1@2561.69,1027.38 ; v1@2556.7,1024.41 v1@2564.66,1024.41 ; IC19.H12@4511.35,3505.23 4511.35,3504.71 v1@4528.55,3487.51
  L8 w4: 2566.63,1031.26 2758.69,1031.26 2794.07,1066.64 3039,1066.64 3049.83,1066.64 4516.81,2533.62 4516.81,3190.89 4511.81,3195.89 4511.81,3207.39 4516.81,3212.39 4516.81,3471.33 v1(4531.03,3485.55)
  other v1: 2561.69,1024.64
FMC1_LA_P0: IC19.C16 J2.g6 | length 2245.7
  Top Layer w6: J2.g6@2528.05,2562.26 v4(2546.05,2544.26) ; v4(3228.34,2864.17) 3238.18,2854.33 3828.63,2854.33 4084.53,3110.24 4281.5,3110.24 4334.55,3163.29 4334.55,3289.06 IC19.C16@4353.87,3308.38
  L3 w4: v4(2546.05,2544.26) 2551.01,2549.21 2618.11,2549.21 2647.48,2578.58 2647.48,2602.57 2800.82,2755.91 3063.74,2755.91 3164.14,2856.31 3220.48,2856.31 v4(3228.34,2864.17)
FMC1_LA_P1: IC19.H21 J2.d8 | length 2167.5
  Top Layer w6: J2.d8@2678.05,2462.26 2681.07,2462.26 2696.82,2446.51 2702.06,2446.51 v1(2702.69,2447.13) ; IC19.H21@4157.02,3505.23 4157.02,3501.04 4168.55,3489.51
  L3 w4: v1(2702.69,2447.13) 2725.56,2447.13 2878.07,2599.64 3525.69,2599.64 3953.69,3027.64 3953.69,3239.64 3954.36,3240.31 3954.36,3294.44 3978.69,3318.78 3978.69,3363.64 4006.69,3391.64 4047.69,3391.64 4058.69,3402.64 4058.69,3452.64 4077.69,3471.64 4162.8,3471.64 v1(4176.7,3485.55)
FMC1_LA_P2: IC19.J22 J2.h7 | length 2274.1
  Top Layer w6: J2.h7@2478.05,2512.26 2494.67,2495.64 v1@2503.69,2495.64 ; v1@4100.59,3524.92 4100.59,3527.54 IC19.J22@4117.65,3544.6 IC19.J22@4115.65,3544.6
  L3 w4: v1@2503.69,2495.64 2533.39,2495.64 2536.31,2498.57 2543.62,2498.57 2632.06,2498.57 2673.02,2539.53 2706.85,2539.53 2803.96,2636.64 3466.69,2636.64 3876.19,3046.14 3876.19,3213.64 3915.69,3253.14 3915.69,3296.64 3916.61,3297.56 3916.61,3298.58 3930.59,3312.57 3944.61,3312.57 3955.69,3323.65 3955.69,3439.78 3983.55,3467.64 4035.37,3467.64 4077.15,3509.42 4082.47,3509.42 v1(4097.96,3524.92)
  other v1: 2504.69,2496.64